# Allegro board T736_DEMO_DBOARD_V0-5-draft.brd (continued)
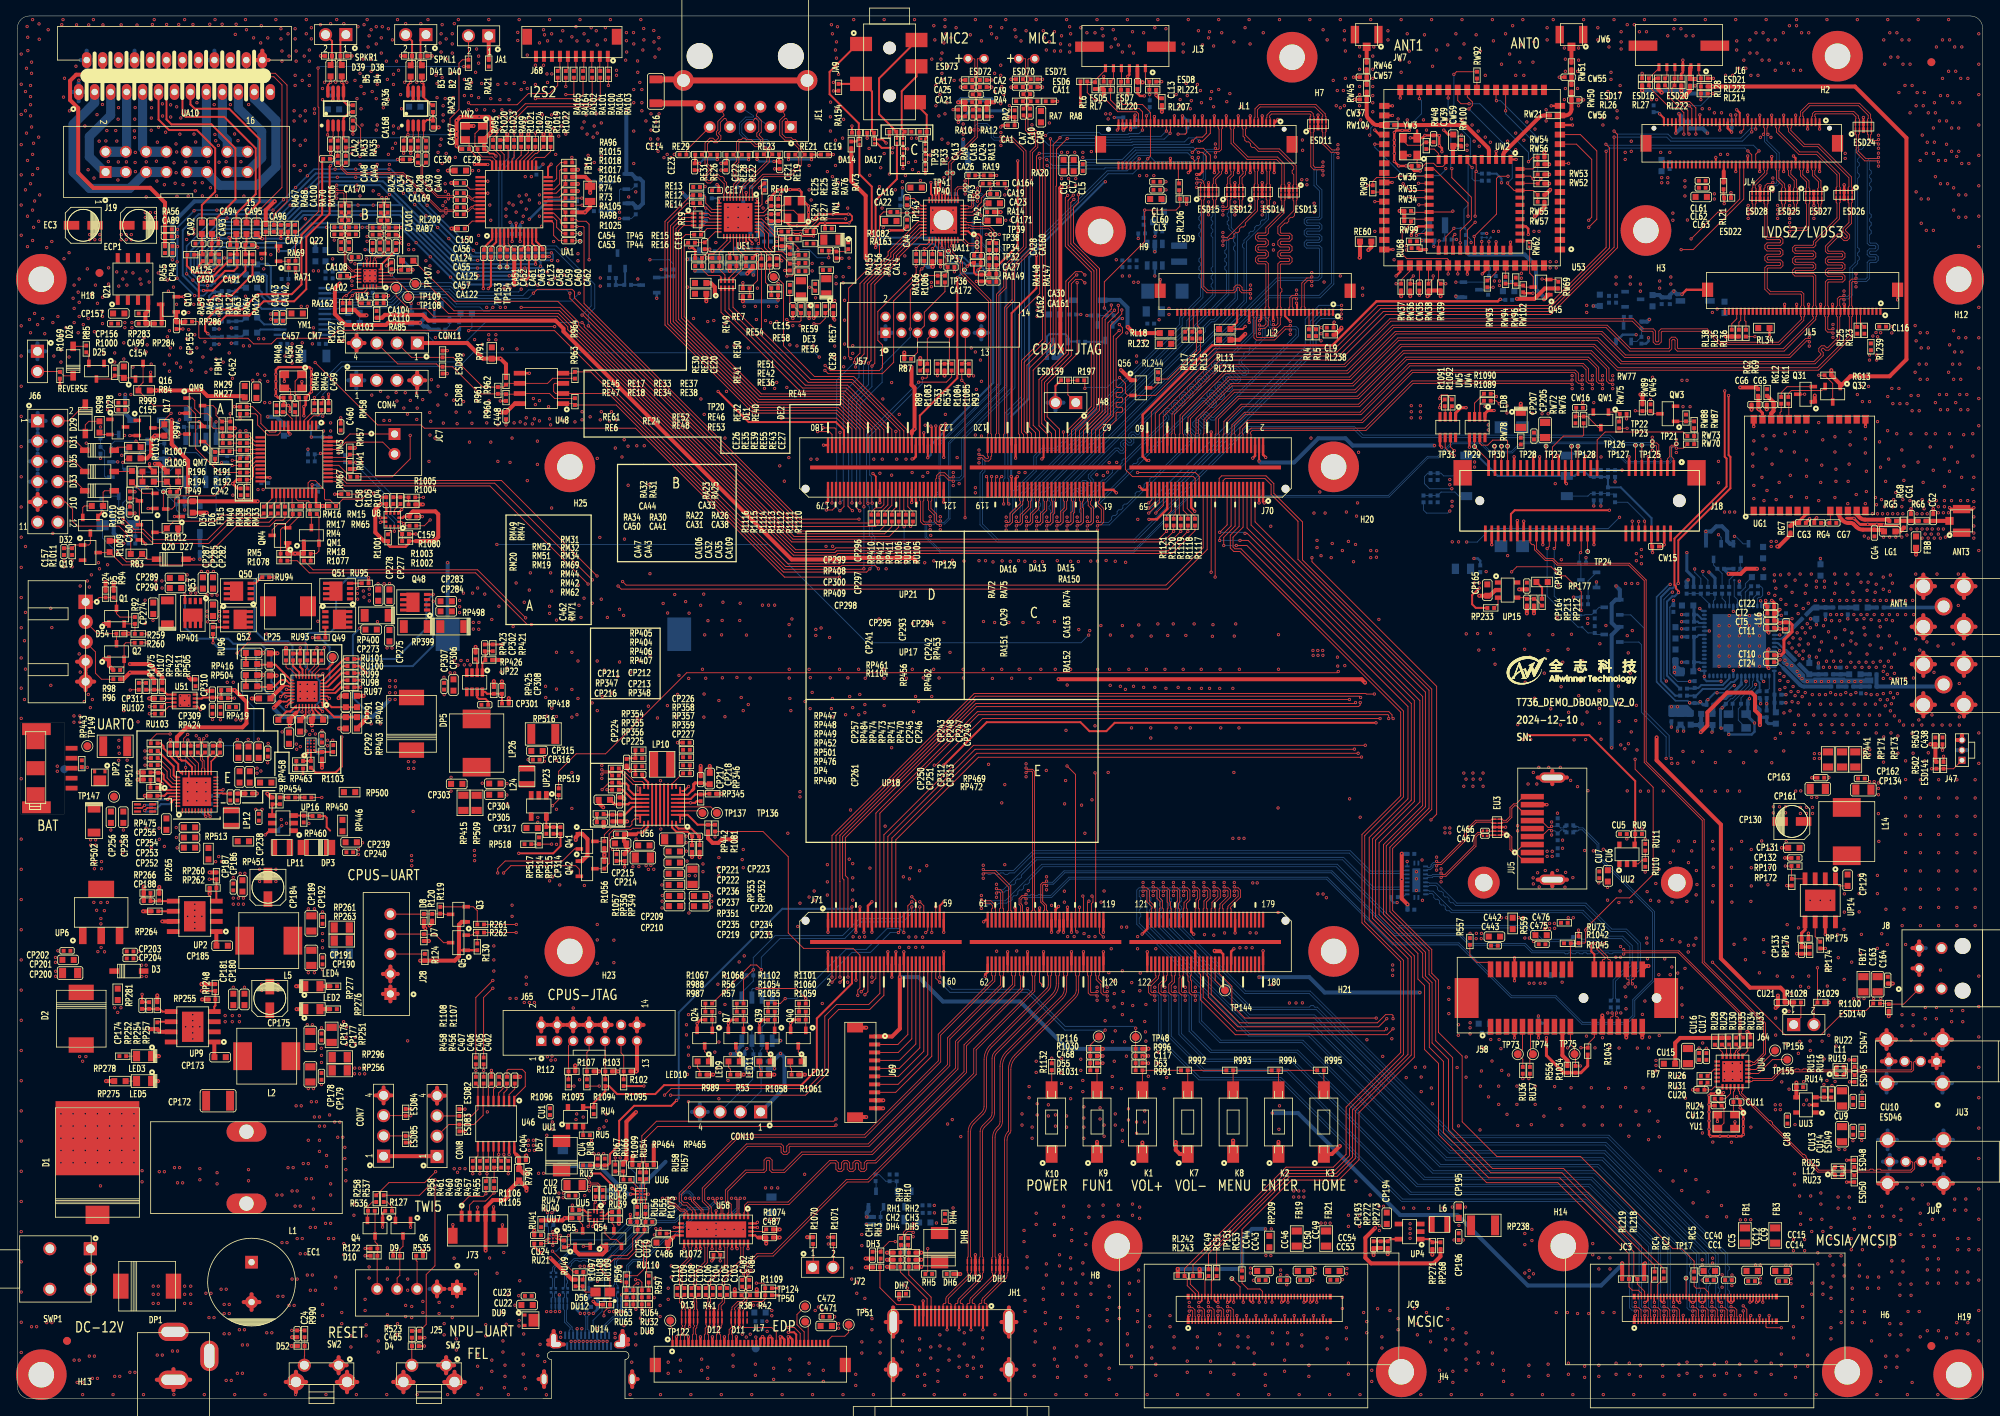
[diagram p0: board, top side]
## Routing (per net, layer and track width the routed paths; a pad name or vN(x,y) marks a point on that pad's centre or on a via; arc(x,y) is an arc through that point) (continued)
VCC-3V3-WIFI: length 109.8
  TOP w0.305: J70.153 108.05,112.3 v1(108.05,112.29)
  TOP w0.381: 180.9,157.1 179.96,157.1 CW59.1
  TOP w0.508: CW59.1 179.85,156.99 UW2.9
  L3 w0.508: v1(179.58,126.62) 175.92,126.62 172.72,123.42 172.72,119.55 166.05,112.88 121.44,112.88 120.17,111.61 108.74,111.61 v1(108.05,112.29)
  L4 w0.508: v1(190.63,146.3) 190.63,141.58 191.62,140.59 191.62,139.29 179.58,127.25 v1(179.58,126.62)
  vias: v1(181.61,157.1) v1(181.61,156.46) v1(184.91,146.3) v1(185.55,146.3) v1(189.99,146.3)
VCC-5V: length 38.1
  TOP w0.254: UU6.B1 v1(78.16,24.71)
  TOP w0.508: RP268.2 178.28,17.83 177.41,16.95 169.58,16.95 168.87,17.67 168.87,20.17 v1(170.09,21.39) ; RP416.2 v1(27.22,88.81) 28.7,87.33 28.7,84.65 28.19,84.14 21.21,84.14 19.99,82.92 RP484.1
  BOTTOM w0.508: 81.2,29.69 78.16,26.64 v1(78.16,24.71)
  vias: v1(26.29,89.79) v1(27.05,89.79) v1(29.08,95.89) v1(29.08,95.25) v1(30.23,132.84) v1(30.86,132.84) v1(35.56,136.91) v1(36.07,147.88) v1(36.32,136.91) v1(37.22,161.66) v1(37.22,161.11) v1(42.24,40.72) v1(42.27,41.43) v1(42.85,41.43) v1(42.88,40.72) v1(43.48,41.43) v1(43.51,40.72) v1(44.32,84.58) v1(45.47,84.58) v1(99.95,11.05) v1(100.36,11.49) v1(100.83,11.06) v1(143.89,152.53) v1(143.89,151.51) v1(159.36,49.59) v1(159.89,26.04) v1(159.89,25.27) v1(160.19,49.59) v1(160.53,26.04) v1(160.53,25.27) v1(160.91,152.78) v1(160.91,152.15) v1(160.99,49.61) v1(161.16,26.04) v1(161.16,25.27) v1(161.54,152.78) v1(161.54,152.15) v1(170.62,21.69) v1(170.62,21.08) v1(212.6,151) v1(212.6,150.37) v1(215.85,22.4) v1(216.5,22.42) v1(217.14,22.43) v1(230.05,50.11) v1(230.7,50.13) v1(231.34,50.14)
VCC-5V-COD: length 1.2
  BOTTOM w0.508: U57.15 v1(31.75,135.95)
VCC-5V-HDMI: length 1.6
  TOP w0.508: RH2.2 v1(113.26,18.3) ; RH1.2 v1(108.94,18.3)
  vias: v1(111.05,14.22) v1(111.49,13.84)
VCC-5V-SPA: length 2.3
  TOP w0.381: v1(40.26,162.71) 40.2,162.77 UA4.6 ; v1(50.29,162.71) 50.24,162.77 UA2.6
VCC-5V-USB:
  vias: v1(41.2,45.29) v1(41.2,44.4) v1(42.34,45.29) v1(42.34,44.4) v1(66.4,42.85) v1(66.85,42.42) v1(66.98,42.94) v1(67.4,42.47) v1(178.84,71.53) v1(178.84,70.92) v1(179.45,71.53) v1(179.45,70.92) v1(220.22,36.83) v1(220.24,36.22) v1(220.85,36.83) v1(220.85,36.22)
VCC-12V-PCIE:
  vias: v1(184.58,45.01) v1(185.62,45.01)
VCC-232-3V3: length 36.2
  TOP w0.305: 62.48,30.61 62.25,30.84 U46.16
  TOP w0.508: C402.2 v1(62.99,40.34) ; 62.48,30.61 62.85,30.24 C404.2 62.85,28.79 R790.1 63.4,28.24 v1(63.8,28.24) ; CON8.1 52.54,30.39 CON7.1
  L3 w0.508: CON8.1 56.01,30.35 57.25,29.11 62.94,29.11 v1(63.8,28.24)
  L4 w0.508: v1(62.99,40.34) 62.99,29.06 v1(63.8,28.24)
VCC-485-3V3: length 157.5
  TOP w0.508: R962.1 61.21,129.67 v1(60.53,130.35) R791.1 58.32,130.35 56.36,132.31 CON11.1 ; v1(60.5,123.61) C448.1 62.31,124.71 U48.8
  L3 w0.508: v1(60.5,123.61) 69.36,123.61 72.67,126.92 88.16,126.92 v1(88.84,126.25) ; v1(89.33,43.21) 95.55,43.21 v1(95.61,43.26)
  L4 w0.508: v1(89.33,43.21) 89.33,46.45 89.67,46.79 89.67,47.29 89.43,47.53 89.43,125.65 v1(88.84,126.25) ; v1(60.5,123.61) 59.82,124.29 59.82,129.64 v1(60.53,130.35)
  BOTTOM w0.508: v1(89.33,43.21) C403.1 90.25,43.82 90.75,44.32 U47.8 ; CON10.1 96.11,38.94 96.11,42.75 v1(95.61,43.26) 94.61,42.27 R451.1
VCC-CTP0: length 3.1
  TOP w0.508: v1(140.97,164.99) CL13.1 140.31,165 JL3.2
  BOTTOM w0.508: RL3.1 140.94,165.02 v1(140.97,164.99)
VCC-CTP1: length 2.8
  TOP w0.508: v1(210.19,165.4) RL28.1 209.55,166.78 JL6.2
  BOTTOM w0.508: RL28.1 v1(210.19,165.4)
VCC-DSP-3V3: length 29.5
  TOP w0.508: R1018.2 71.15,153.14 71.75,152.53 FB16.1 v1(71.75,151.13)
  L3 w0.508: v1(57.02,153.92) 55.88,153.92 54.99,153.03 53.09,153.03 50.55,150.5 50.55,148.46 49.67,147.59 41.14,147.59 39.73,146.18 38.58,146.18 v1(37.34,144.93)
  BOTTOM w0.508: RA158.2 v1(37.34,144.93)
  vias: v1(57.78,153.92) v1(63.63,153.16) v1(64.39,153.16)
VCC-IO: length 22.4
  TOP w0.305: v1(152.4,56.38) 152.05,56.03 J71.164
  TOP w0.508: R89.2 v1(113.11,130.43) ; Q1.1 v1(10.79,97.09) ; 106.27,142.9 106.27,150.77 104.47,152.58 RA94.2 ; R93.2 v1(119.2,128.22) ; R534.2 v1(116.15,128.22) ; v1(10.79,92.67) Q2.1 11.47,91.86 R98.1 ; R87.2 v1(111.11,131.12)
  vias: v1(104.65,131.98) v1(104.65,131.01) v1(106.48,142.19) v1(106.87,142.63) v1(108.48,146.81) v1(108.48,146.2) v1(114.5,139.91) v1(114.5,139.37) v1(117.22,23.9) v1(117.22,23.19) v1(119.79,128.19) v1(120.02,114.17) v1(120.02,113.54) v1(138.33,59.11) v1(138.96,59.11)
VCC-LCD:
  vias: v1(140.21,130.68) v1(140.21,129.92) v1(163.35,134.24) v1(163.32,133.48) v1(163.32,132.59)
VCC-LCD1: length 1.6
  TOP w0.508: v1(214.04,133.13) RL38.2 RL35.1
  vias: v1(93.34,99.45) v1(93.73,26.42) v1(94.11,99.45) v1(94.49,26.42) v1(94.87,99.45) v1(95.25,26.42) v1(201.47,102.17) v1(202.23,102.17) v1(203,102.17) v1(232.45,133.18) v1(232.84,133.63) v1(233.04,133.1) v1(233.43,133.6)
VCC-LCD-EDP: length 18.1
  TOP w0.254: U58.34 v1(89.53,18.8) ; U58.41 v1(92.71,21.46) ; U58.21 82.38,20.46 82.14,20.22 ; U58.39 92.44,20.46 92.71,20.19 92.84,20.19 ; v1(85.6,18.8) 85.53,18.88 U58.26 ; v1(87.53,23.55) U58.9 ; U58.31 v1(88.03,18.8) ; U58.19 v1(82.3,21.46)
  TOP w0.305: R1109.2 v1(95.38,13.84)
  TOP w0.508: v1(93.81,19.43) C487.2 92.84,20.19 ; 82.14,20.22 C486.1 v1(81.48,18.8) ; R38.2 v1(92.63,13.72) ; R1070.2 v1(98.93,20.24)
  L3 w0.508: v1(98.93,20.24) 97.5,20.24 96.7,19.43 v1(93.81,19.43)
  vias: v1(90.82,8.08) v1(91.31,7.72) v1(91.81,8.08) v1(92.23,11.71) v1(92.79,11.71) v1(93.37,11.71) v1(93.78,22.48) v1(94.44,22.48) v1(95.07,22.48)
VCC-LTE18:
  vias: v1(184.28,122.05) v1(184.28,121.41) v1(192.91,97.92) v1(193.04,101.98) v1(196.72,97.79) v1(196.72,97.16)
VCC-MCU: length 120.2
  TOP w0.305: UM3.36 37.42,111.97 RM17.2
  TOP w0.508: RM65.1 v1(38.23,111.89) RM17.2 ; R84.2 v1(17.4,126.36) 23.11,126.36 23.83,125.65 28.32,125.65 FBM1.2 ; RM15.2 v1(35.94,111.89) ; R1004.2 v1(50.8,112.08) ; RW89.2 203.58,125.6 v1(203.33,125.86) ; R1006.2 16.24,117.86 16.75,118.36 16.75,120.22 v1(17.23,120.7) R997.2 ; R1009.2 v1(12.47,107.52) ; RM57.1 v1(42.33,116.52) ; RM58.1 v1(42.29,119.17) ; R1012.2 v1(20.14,108.2)
  L4 w0.508: v1(106.36,21.84) 105.8,22.4 105.8,25.41 116.84,36.45 v1(116.84,93.54) ; v1(17.23,120.7) 17.23,126.2 v1(17.4,126.36)
  BOTTOM w0.508: v1(31.37,123.06) 32.46,123.06 C458.2 ; Q15.2 11.75,110.55 12.06,110.24 12.06,108.46 12.47,108.05 v1(12.47,107.52) ; CON4.1 42.47,128.64 ; CON4.1 42.47,126.63 ; CON4.1 43.47,127.64 ; CON4.1 41.46,127.64 ; RH23.1 v1(106.36,21.84)
  vias: v1(13.34,108.08) v1(13.34,107.19) v1(26.99,113.24) v1(30.15,113.94) v1(30.78,113.94) v1(30.99,124.84) v1(31.62,124.84) v1(38.35,122.3) v1(38.35,121.28) v1(39.24,122.3) v1(39.24,121.28) v1(192.66,114.68)
VCC-PD: length 66.1
  TOP w0.254: J70.107 124.55,115.48 124.51,115.52 v1(124.51,115.57)
  TOP w0.381: RL220.2 v1(139.1,163.36) ; RL221.2 v1(142.66,163.36) 143.04,162.98 RL207.2
  TOP w0.508: v1(136.1,163.4) RL7.2 136,164.15 RL6.2
  L3 w0.508: v1(142.66,163.36) 142.66,163.61 142.19,164.08 139.83,164.08 v1(139.1,163.36) 139.06,163.4 v1(136.1,163.4)
  L4 w0.254: v1(136.1,163.4) 135.86,163.17 135.86,152.96 v1(136.3,152.53)
  BOTTOM w0.254: v1(136.3,152.53) 136.22,152.53 126.75,143.05 126.75,125.35 124.51,123.11 v1(124.51,115.57)
VCC-PE: length 232.6
  TOP w0.305: J70.3 v1(155.55,112.27)
  TOP w0.508: RL242.2 148.13,16.21 v1(148.08,16.26) ; RL219.2 v1(201.04,16.97) ; v1(138.25,128.93) 139.54,127.65 Q56.1 ; v1(73.15,19.09) Q54.1 73.78,18.58 73.28,18.08 70.37,18.08 69.87,18.59 Q55.1 ; v1(203.91,16.97) 203.79,16.85 RL218.2 ; v1(145.36,16.26) 145.37,16.25 RL243.2
  L3 w0.508: v1(73.15,19.09) 73.15,19.84 74.32,21.01 75.62,21.01 76.12,21.51 76.12,26.59 76.78,27.25 78.13,27.25 80.37,29.49 92.86,29.49 95.2,27.15 104.65,27.15 122.63,45.14 122.63,47.07 130,54.43 146.3,54.43 148.84,51.89 v1(157.2,51.89) ; v1(157.02,109.35) 150.19,109.35 148.39,107.54 143.03,107.54 v1(140.36,110.21)
  L4 w0.508: v1(140.36,110.21) 140.36,113.08 141.48,114.2 141.48,116.26 139.01,118.72 139.01,128.17 v1(138.25,128.93) ; v1(203.91,16.97) v1(201.04,16.97)
  BOTTOM w0.508: v1(157.23,35.79) 160.45,35.79 173.23,23.01 180.39,23.01 189.23,14.17 198.4,14.17 201.04,16.81 v1(201.04,16.97) ; v1(145.36,16.26) v1(148.08,16.26) 152.98,16.26 153.44,16.71 153.44,20.04 154.67,21.27 v1(156.34,21.27)
  vias: v1(157.09,21.27)
VCC-PG: length 205.9
  TOP w0.254: v1(40.64,82.93) 40.64,79.24 39.88,78.47 37.37,78.47 RP456.1 ; v1(128.35,117.78) 128.55,117.99 J70.92
  TOP w0.305: v1(141.73,117.6) 141.48,117.6 140.97,118.11 140.97,123.32 149.68,132.03 164.76,132.03 170.27,137.54 185.47,137.54 185.72,137.79 v1(185.78,137.79)
  L3 w0.254: v1(141.73,117.6) 141.5,117.83 128.66,117.83 128.6,117.78 v1(128.35,117.78) 128.3,117.73 125.73,117.73 125.22,117.22 121.41,117.22 120.83,116.64 120.34,116.64 119.63,117.35 115.32,117.35 114.23,118.43 84.78,118.43 83.71,117.36 75.68,117.36 72.01,121.03 52.96,121.03 v1(52.32,120.4)
  L4 w0.254: v1(40.64,82.93) 41.02,83.31 45.59,83.31 49.78,87.5 49.78,97.16 51.08,98.45 51.28,98.45 52.58,99.75 52.58,103.16 52.32,103.41 v1(52.32,120.4)
  BOTTOM w0.254: RW103.1 185.85,137.72 v1(185.78,137.79)
VCC-PH: length 290.5
  TOP w0.254: J70.138 112.05,120.97
  TOP w0.508: 112.05,120.97 112.05,121.2 v1(112.39,121.54) 112.39,126.7 112.01,127.08 v1(112.01,129.34) ; v1(43.74,135.79) 42.95,135.79 42.28,136.46 R1026.2 41.62,136.47 R1027.2 ; RA17.1 114.63,141.91 v1(114.68,141.86) ; RE6.1 v1(86.31,137.54)
  L3 w0.508: v1(86.31,137.54) 83.44,137.54 80.64,140.34 v1(77.72,140.34) ; v1(44.96,162.94) 46.08,164.06 61.49,164.06 63.75,161.8 75.99,161.8 v1(76.29,161.5) ; v1(114.43,108.2) 115.17,107.46 139.25,107.46 140.42,106.29 156.02,106.29 158.86,109.13 182.01,109.13 182.45,108.69 v1(211.53,108.69) ; v1(112.39,121.54) 111.25,120.4 v1(88.65,120.4)
  L4 w0.508: v1(86.31,137.54) 85.47,136.7 85.47,126.87 87.02,125.32 87.02,122.02 v1(88.65,120.4) ; v1(76.29,161.5) 78.08,159.71 78.08,151 77.72,150.65 v1(77.72,140.34) ; v1(112.39,121.54) 112.78,121.16 112.78,114.78 113.39,114.17 113.39,108.86 114.05,108.2 v1(114.43,108.2) ; v1(44.96,162.94) 43.94,161.93 43.94,149.12 45.42,147.65 45.42,137.46 v1(43.74,135.79)
  BOTTOM w0.508: Q28.1 211.55,108.67 v1(211.53,108.69) 212.19,108.69 212.84,109.33 213.55,109.33 214.2,108.69 214.2,107.51 214.56,107.15 Q27.1 ; RA16.1 RA15.1 113.61,142.32 114.07,141.86 v1(114.68,141.86) ; Q26.1 77.09,149.82 77.47,149.44 R69.2 77.85,149.29 78.36,149.8 78.36,152.53 77.96,152.93 R70.2 77.47,152.99 76.96,153.5 Q25.1 v1(76.29,161.5)
VCC-PI: length 318.4
  TOP w0.305: v1(107.05,62.27) 106.55,61.77 J71.21
  TOP w0.508: RP442.2 86.53,70.23 87.1,69.66 87.82,69.66 88.27,70.1 v1(90.04,70.1) ; RL26.2 v1(203.54,163.96) ; v1(227.25,128.91) RG13.2 228.37,127.15 Q32.1 229.64,128.14 234.54,128.14 236.65,130.25 236.65,158.01 230.2,164.47 v1(212.4,164.47) RL223.2 ; Q42.1 70.72,67.37 71.42,68.07 71.42,70.14 70.76,70.8 Q41.1 69.95,70.35 v1(69.95,70.03) ; v1(205.99,163.7) 205.57,164.13 RL27.2 ; RL222.2 v1(208.45,163.94) ; Q31.1 225.17,125.13 v1(225.17,125.73)
  L3 w0.508: v1(69.95,70.03) 70.72,70.8 74.18,70.8 74.31,70.93 76.14,70.93 82.93,77.72 88.14,77.72 90.04,75.82 v1(90.04,70.1) 90.68,70.1 92.33,71.75 v1(108.71,71.75) 169.47,71.75 179.3,81.58 v1(199.72,81.58)
  L4 w0.508: v1(227.25,128.91) 227.25,127.81 v1(225.17,125.73) 224.41,124.97 223.65,124.97 221.11,127.51 212.98,127.51 212.47,127 212.47,121.41 201.29,110.24 201.29,109.98 200.79,109.47 200.79,102.36 v1(200.28,101.85) ; v1(107.05,62.27) 107.05,65.27 108.71,66.93 v1(108.71,71.75)
  BOTTOM w0.508: v1(203.54,163.96) 205.74,163.96 v1(205.99,163.7) 206.23,163.94 v1(208.45,163.94) 208.8,163.94 209.17,163.58 211.51,163.58 v1(212.4,164.47) ; v1(200.28,101.85) 200.75,101.39 Q29.1 200.24,100.14 199.73,99.63 199.73,97.24 200.24,96.73 Q30.1 199.72,95.71 v1(199.72,81.58)
VCC-PJ: length 90.6
  TOP w0.254: J70.4 v1(155.55,117.52)
  TOP w0.381: UW4.1 183.86,123.47 184.24,123.85 v1(184.99,123.85) ; v1(181.48,124.21) 180.85,124.21 180.17,123.53 UW5.1
  L3 w0.381: v1(181.48,124.21) 181.97,123.72 184.86,123.72 v1(184.99,123.85)
  L4 w0.508: v1(177.52,119.46) 177.52,119.87 180,122.35 180,122.72 v1(181.48,124.21) 199.39,142.11 199.39,146.85 202.54,150 205.22,150 211.71,156.49 v1(211.71,158.62)
  BOTTOM w0.508: RL215.2 211.12,159.21 v1(211.71,158.62) ; v1(177.52,119.46) 167.3,119.46 166.38,120.37 162.97,120.37 159.94,117.34 155.73,117.34 v1(155.55,117.52)
VCC-PL: length 608.5
  TOP w0.305: R130.1 56.23,56.21 Q5.1 55.33,56.2 55.32,56.21 ; v1(45.76,21.5) Q4.1 45.76,23.22 R127.1 ; Q6.1 v1(49.26,21.48) ; J71.34 v1(109.55,52.83)
  TOP w0.508: J65.13 77.63,41.1 v1(77.55,41.02) R102.2 ; v1(50.46,54.9) R124.1 54.79,54.9 55.32,55.43 55.32,59.4 55.68,59.76 Q3.1 ; R502.2 240.28,79.93 R503.2 v1(239.65,82.02) ; RU109.2 69.48,14.93 v1(66.78,17.63) ; QM1.1 35.9,107.21 RM18.2 v1(34.8,105.92) RM5.2 33.87,105.96 QM4.1 ; RU54.1 75.9,29.59 76.3,30 76.3,34.72 v1(77.5,35.92) ; R107.2 v1(72.87,41.02) ; R103.2 v1(75.26,41.02) ; RP511.2 18.16,90.42 16.51,92.08 v1(14.1,92.08) ; R112.2 69.89,41.74 v1(69.88,41.76)
  L3 w0.508: v1(109.52,115.75) 108.94,115.16 97.97,115.16 93.45,110.64 64.82,110.64 60.1,105.92 42.55,105.92 40.89,107.57 ; 40.89,107.57 40.89,113.54 38.1,116.33 30.86,116.33 30,115.47 26.67,115.47 26.31,115.83 26.31,116.56 v1(25.57,117.3) 25.57,117.16 24.76,116.36 19.05,116.36 ; 40.89,107.57 39.24,105.92 v1(34.8,105.92) ; v1(239.65,82.02) 201.9,82.02 v1(201.83,82.09) 200.23,83.69 177.85,83.69 173.35,79.2 135.51,79.2 133.12,81.58 v1(109.52,81.58) 108.28,82.83 72.92,82.83 63.69,73.6 52.87,73.6 52.86,73.61 v1(49.58,73.61) ; v1(16.26,114.24) 16.93,114.24 19.05,116.36 ; v1(19.05,117.81) 19.05,116.36 ; v1(48.9,44.85) J65.1 66.9,43.57 67.88,43.57 69.7,41.76 v1(69.88,41.76) 70.61,41.02 v1(72.87,41.02) v1(75.26,41.02) v1(77.55,41.02)
  L4 w0.508: v1(211.91,103.61) 211.91,103.43 211.46,102.97 209.65,102.97 v1(209.3,102.62) 208.58,103.34 205.83,103.34 203.84,101.35 203.84,84.1 v1(201.83,82.09) ; v1(77.5,35.92) 77.5,40.97 v1(77.55,41.02) ; v1(49.58,73.61) 49.73,73.46 49.73,71.86 49.75,71.76 49.79,71.68 49.84,71.6 49.91,71.53 49.99,71.48 50.07,71.44 50.17,71.42 50.44,71.15 50.44,54.91 v1(50.46,54.9) 50.44,54.88 50.44,49.07 48.9,47.52 v1(48.9,44.85) 48.79,44.74 48.79,38.91 47.27,37.39 47.27,27.46 45.76,25.94 v1(45.76,21.5) 45.78,21.48 v1(49.26,21.48) 49.89,20.85 49.89,17.7 50.85,16.74 65.89,16.74 v1(66.78,17.63) ; v1(109.52,115.75) v1(109.52,81.58) 109.52,66.7 108.43,65.61 108.43,55.27 109.55,54.15 v1(109.55,52.83) ; v1(19.05,117.81) 18.77,117.53 18.77,110.97 15.11,107.31 15.11,105.41 13.51,103.81 13.51,101.17 12.22,99.87 12.22,94.56 14.1,92.68 v1(14.1,92.08)
  BOTTOM w0.381: v1(211.91,103.61) 212.67,102.84 RT13.2
  BOTTOM w0.508: Q9.1 v1(16.26,114.24) ; v1(209.3,102.62) 209.12,102.44 RT14.2 ; R469.2 17.41,117.81 Q23.1 ; R469.2 v1(19.05,117.81) ; R469.2 R466.2 ; R1062.2 v1(25.57,117.3)
VCC-PM: length 175.1
  TOP w0.305: J71.17 v1(105.55,61.64)
  TOP w0.508: Q45.1 191.84,138.37 v1(191.26,137.79)
  L3 w0.508: v1(191.26,137.79) 190.88,137.41 189.74,137.41 188.47,138.68 180.86,138.68 180.35,138.18 v1(180.21,138.18) ; v1(166.9,75.18) 137.26,75.18 135.86,73.78 v1(104.37,73.78)
  L4 w0.508: v1(166.9,75.18) 166.9,85.06 169.39,87.55 169.39,88.57 169.75,88.92 169.95,88.92 175.07,94.04 175.07,120.89 177.55,123.37 177.55,135.37 180.21,138.04 v1(180.21,138.18) ; v1(105.55,61.64) 105.41,61.78 105.41,70.46 104.37,71.49 v1(104.37,73.78)
  BOTTOM w0.508: v1(191.26,137.79) 191.26,138.02 190.25,139.04 190.25,141.99 188.82,143.41 181.87,143.41 181.48,143.79 RW31.2 ; Q46.1 180.35,138.04 v1(180.21,138.18)
VCC-RTC: length 205.4
  TOP w0.305: J71.101 v1(131.55,61.59)
  TOP w0.508: RM47.2 v1(27.25,121.62) ; RP501.1 v1(15.09,78.49)
  L3 w0.508: v1(131.52,89.45) 70.28,89.45 66.54,93.19 52.46,93.19 51.17,91.9 36.83,91.9 36.22,91.29 24.23,91.29 22.35,89.41 20.45,89.41 18.9,87.87 18.9,86.85 16.89,84.84 v1(15.11,84.84) 15.09,84.81 v1(15.09,78.49)
  L4 w0.508: v1(131.52,89.45) 132.11,88.86 132.11,62.15 v1(131.55,61.59) ; v1(27.25,121.62) 26.31,120.69 26.31,116.61 25.53,115.82 25.53,111.02 21.77,107.26 18.01,107.26 14.25,103.5 14.25,100.86 12.95,99.57 12.95,94.87 15.11,92.71 v1(15.11,84.84)
VCC-RTC-IC: length 13.6
  TOP w0.508: v1(19.33,122.68) 19.33,119.63 21.39,117.58 v1(21.39,113.74)
  BOTTOM w0.508: R785.2 19.39,120.69 18.08,122 D45.2 18.44,122.63 18.5,122.57 19.22,122.57 v1(19.33,122.68)
VCC-SYS-5V:
  vias: v1(24.84,67.31) v1(25.22,67.94) v1(25.6,67.31) v1(40.49,46.61) v1(40.87,47.24) v1(41.25,46.61) v1(49.38,68.07) v1(49.4,67.44) v1(49.4,66.8) v1(57.25,68.71) v1(57.28,68.07) v1(57.28,67.44) v1(66.29,65.41) v1(66.67,64.9) v1(67.06,65.41) v1(152.27,70.23) v1(153.03,70.23) v1(153.16,56.52) v1(153.67,70.23) v1(153.92,56.52) v1(154.69,56.52)
VCCA-DSP-3V3: length 5.3
  TOP w0.254: UA1.6 v1(61.98,145.04) ; UA1.8 v1(62.98,145.04)
  TOP w0.508: RA105.1 71.09,148.69 v1(71.12,148.72) 71.75,149.35 FB16.2
VCCIO-CAM:
  vias: v1(156.41,17.93) v1(157.04,17.93) v1(212.37,17.6) v1(212.37,16.99)
VCCIO-LCD0: length 6.1
  TOP w0.254: v1(140.03,160.88) 139.95,160.8 JL1.71
  TOP w0.508: RL207.1 v1(143.38,161.29)
  L3 w0.508: v1(143.38,161.29) 143.28,161.39 140.54,161.39 v1(140.03,160.88)
  BOTTOM w0.254: v1(140.03,160.88) 140.06,160.86 CL4.1
VCCIO-LCD1: length 3.2
  TOP w0.254: JL4.71 208.27,160.92 v1(208.15,161.04)
  BOTTOM w0.508: RL215.1 CL14.1 208.39,160.8 v1(208.15,161.04)
VCCIO-WIFI: length 15.5
  TOP w0.508: v1(178.31,138.18) RW39.2 RW38.2 176.78,138.3 v1(176.66,138.18) ; RW52.2 v1(191.9,152.3) ; v1(187.86,137.85) 190.04,137.85 191.35,139.15 RW69.2 ; RW54.2 v1(191.31,156.17) ; v1(192.02,151.51) 191.41,150.9 RW55.2 ; v1(173.15,148.87) RW35.2 RW34.2 ; RW36.2 v1(174.5,138.18) ; RW53.2 v1(191.9,153.44) ; RW37.2 v1(173.35,138.18)
  BOTTOM w0.508: CW22.2 v1(175.95,145.16)
  vias: v1(188.42,141.05) v1(188.42,140.44)
2.5_VREF: length 14.5
  TOP w0.381: CT2.1 220.29,98.4 v1(220.8,98.91) ; CT2.1 CT22.2 220.08,99.75 v1(219.78,100.05) ; CT2.1 CT5.1 220.44,97.51 v1(220.8,97.16) 220.94,97.3 L16.1 222.03,97.3 222.32,97 222.32,96.11 221.31,95.1 221.31,93.55 220.93,93.17 v1(220.77,93.17) 220.75,93.19 CT10.2
  BOTTOM w0.254: UT1.1 220.49,98.72 220.67,98.91 v1(220.8,98.91) ; v1(220.77,93.17) 220.72,93.22 UT1.12 ; v1(219.78,100.05) 219.47,99.74 UT1.64 ; UT1.4 220.73,97.22 v1(220.8,97.16)
4G-I2C-SCK: length 15.6
  TOP w0.114: J18.30 192.71,106.73 v1(192.53,106.55)
  BOTTOM w0.114: Q29.3 198.15,99.19 RW80.1 197.23,98.27 196.39,98.27 196.32,98.2 TP25.1 194.92,98.2 192.53,100.58 v1(192.53,106.55)
4G-I2C-SDA: length 17.1
  TOP w0.114: v1(191.64,106.55) 191.91,106.82 J18.32
  BOTTOM w0.114: Q30.3 197.8,95.78 RW81.1 196.77,95.97 TP26.1 195.53,96.7 191.64,100.58 v1(191.64,106.55)
4G-I2S-BCLK: length 2.2
  TOP w0.114: R1089.2 183.21,124.55 UW4.2
4G-I2S-DIN: length 1.4
  TOP w0.114: UW5.2 179.52,124.21 R1092.2
4G-I2S-DOUT: length 1.3
  TOP w0.114: R1091.2 178.87,124.34 UW5.3
4G-I2S-LRCK: length 3.4
  TOP w0.114: UW4.3 182.55,124.79 R1090.2
4G-LED: length 17.5
  TOP w0.356: J18.42 v1(187.91,110.06)
  TOP w0.508: LED8.2 v1(188.34,124.71)
  L4 w0.508: v1(188.34,124.71) 188.34,110.49 v1(187.91,110.06)
4G-WAKEUP-MCU: length 186
  TOP w0.114: QW3.3 204.93,123.44 CW45.2 RW89.1 202.74,123.78 v1(202.69,123.83) ; v1(38.28,125.48) 38.28,124.93 RM45.1
  L3 w0.114: v1(204.85,128.02) 200.61,132.26 180.01,132.26 178.44,130.68 172.97,130.68 169.51,127.22 122.05,127.22 116.68,132.59 102.47,132.59 100.46,130.58 v1(100.46,130.56)
  L4 w0.114: v1(204.85,128.02) 204.85,126.24 204.09,125.48 204.09,125.22 v1(202.69,123.83)
  BOTTOM w0.114: v1(100.46,130.56) 99.92,131.09 57.07,131.09 55.37,129.39 40.69,129.39 38.94,127.64 38.94,126.54 38.28,125.88 v1(38.28,125.48)
A1: length 19.7
  BOTTOM w0.114: R450.1 95.38,51.73 95.38,48.69 93.29,46.61 U47.6 93.29,43.87 93.06,43.63 R452.1 93.06,42.37 R451.2 ESD86.2 93.17,38.53 CON10.2
A2: length 25
  TOP w0.114: CON11.2 49.37,130.51 ESD89.2 54.6,130.51 58.33,126.79 R961.1 60.92,126.79 R962.2 61.38,127.25 U48.6 66.42,127.25 67.06,127.89 69.81,127.89 R964.1
AC107-RST: length 4
  TOP w0.114: UA3.4 46.44,141.14 CA101.1 46.95,141.48 RA87.1 48.26,141.65 48.26,142.54 RL209.2
ACC-DET: length 4.3
  TOP w0.114: 5.08,122.56 6.41,122.56 D29.2
AMP-12V: length 21.9
  TOP w0.508: RA67.2 31.11,148.97 32.21,150.06 v1(32.23,150.06)
  BOTTOM w0.508: v1(32.23,150.06) 22.18,150.06 19.43,147.32 v1(19.43,142.75)
  vias: v1(13,145.9) v1(13,145.26) v1(13.64,145.9) v1(13.64,145.26) v1(14.27,145.9) v1(14.27,145.26)
AMP-FL+: length 10.2
  BOTTOM w1.143: J19.6 15.68,156.73 UA10.9
  BOTTOM w1.27: J19.6 J19.8
AMP-FL-: length 10.1
  BOTTOM w1.143: J19.4 13.69,156.38 UA10.7
  BOTTOM w1.27: J19.4 J19.2
AMP-FR+: length 14.6
  BOTTOM w1.143: J19.1 10.92,153.75 9.02,155.65 9.02,158.19 11.68,160.86 UA10.5
  BOTTOM w1.27: J19.1 J19.3
AMP-FR-: length 24.5
  BOTTOM w1.143: UA10.3 9.69,162.42 6.99,159.72 6.99,153.75 9.04,151.69 14.07,151.69 J19.5
  BOTTOM w1.27: J19.5 J19.7
AMP-RL+: length 10.1
  BOTTOM w1.143: UA10.17 23.69,156.35 J19.12
  BOTTOM w1.27: J19.12 J19.10
AMP-RL-: length 10.3
  BOTTOM w1.143: J19.14 26.29,157.74 25.68,158.34 UA10.19
  BOTTOM w1.27: J19.16 J19.14
AMP-RR+: length 14.5
  BOTTOM w1.143: UA10.21 27.69,161.75 30.61,158.83 30.61,155.52 J19.15
  BOTTOM w1.27: J19.15 J19.13
AMP-RR-: length 23.4
  BOTTOM w1.143: UA10.23 29.68,162.92 32.38,160.22 32.38,154.38 30.07,152.07 25.3,152.07 23.75,153.62 J19.11
  BOTTOM w1.27: J19.11 J19.9
ANT0: length 4.5
  TOP w0.508: RW21.2 U53.15 193.91,160.83 arc(194.46,161.06) 194.69,161.61 CW56.2 RW50.1
ANT1: length 6.1
  TOP w0.508: RW45.1 CW37.2 169.04,160.92 arc(169.09,160.68) 169.22,160.47 169.85,159.84 arc(170.08,159.69) 170.35,159.63 U53.35 RW104.2
ANT-BIAS: length 7
  TOP w0.508: UG1.9 228.22,110.84 arc(228.28,110.53) 228.46,110.27 228.68,110.05 arc(229,109.84) 229.38,109.76 229.66,109.76 arc(229.86,109.72) 230.04,109.61 230.39,109.25 arc(230.76,109) 231.2,108.92 CG4.2 232.69,108.87 233.66,108.87 LG1.1
AOUT1: length 3.1
  TOP w0.254: v1(24.59,141.43) 25.27,142.11 RA124.1
  BOTTOM w0.254: RA117.1 24.7,142.04 CA153.1 24.59,141.99 v1(24.59,141.43)
AOUT2: length 6.3
  TOP w0.254: RA125.1 21.24,143.33 21.24,141.98 22.07,141.15 v1(24,141.15)
  BOTTOM w0.254: RA118.1 24.67,140.77 CA152.1 24.42,140.76 24.03,141.15 v1(24,141.15)
AOUT3: length 11
  TOP w0.254: v1(24.03,137.57) 24.66,138.2 26.77,138.2 29.46,140.89 RA126.1
  BOTTOM w0.254: v1(24.03,137.57) 24.03,138.2 24.55,138.73 CA151.1 25.53,138.73 RA122.1
AOUT3L: length 4.1
  TOP w0.114: UA1.13 66.91,147.59 67.18,147.32 67.18,145.8 67.84,145.14 CA53.2
AOUT3R: length 3.5
  TOP w0.114: UA1.14 67.15,148.09 67.57,147.66 67.56,146.82 68.35,146.02 CA54.2
AOUT4: length 10.9
  TOP w0.254: RA127.1 26.45,142.58 24.54,140.67 23.09,140.67 22.73,140.31 22.73,137.41 v1(23.24,136.91)
  BOTTOM w0.254: v1(23.24,136.91) 23.32,136.82 CA147.1 24.72,136.91 RA123.1
AOUT5: length 41.7
  TOP w0.254: v1(39.24,154.56) 39.12,154.43 39.12,148.51 36.2,145.59 36.2,139.06 34.67,137.54 30.86,137.54 29.08,135.76 26.16,135.76 25.27,134.87 v1(24,134.87) ; CA169.2 v1(47.62,155.32)
  BOTTOM w0.254: v1(39.24,154.56) 39.88,155.19 47.5,155.19 v1(47.62,155.32) ; RA137.1 25.53,134.92 CA159.1 24.05,134.92 v1(24,134.87)
AOUT6: length 34.5
  TOP w0.254: CA170.2 38.18,155.27 38.18,148.45 35.59,145.85 35.59,139.66 34.37,138.43 30.1,138.43 28.19,136.53 24.97,136.53 23.52,135.07 23.52,133.83 v1(23.88,133.48)
  BOTTOM w0.254: RA138.1 24.72,133.1 CA158.1 24.34,133.01 v1(23.88,133.48)
AOUT_1: length 6.2
  BOTTOM w0.254: U57.19 32.01,138.55 31.75,138.81 31.75,141.86 31.37,142.24 30.12,142.24 CA146.1
AOUT_2: length 5.5
  BOTTOM w0.254: CA148.1 30.05,140.9 31.06,140.9 31.24,140.72 31.24,138.3 31.65,137.9 U57.18
AOUT_3: length 4
  BOTTOM w0.254: U57.17 31.54,137.25 30.61,138.18 30.61,138.68 CA149.1
AOUT_4: length 3.1
  BOTTOM w0.254: U57.16 30.61,136.6 CA150.1
AOUT_5: length 3.2
  BOTTOM w0.254: CA165.1 30.91,134.65 U57.13
AOUT_6: length 3
  BOTTOM w0.254: CA166.1 30.44,134 U57.12
AP-CK24M-OUT: length 3.8
  TOP w0.114: J71.156 150.05,52.41 TP144.1
AP-CK32K-OUT: length 173.9
  TOP w0.114: J71.154 149.55,50.67 153.12,47.11 170.38,47.11 171.4,48.13 172.21,48.13 172.34,48.01 v1(172.34,47.62) ; v1(179.96,165.99) 180.28,166.31 RW92.1
  L3 w0.114: v1(170.05,146.3) 176.28,146.3 178.56,144.02 181.23,144.02 v1(182.12,144.91)
  L4 w0.114: v1(170.05,146.3) 170.05,137.67 171.4,136.32 171.4,95.45 166.36,90.41 166.36,68.01 174.98,59.39 174.98,50.99 172.34,48.35 v1(172.34,47.62)
  BOTTOM w0.114: v1(179.96,165.99) 179.96,160.02 182.02,157.96 182.02,155.48 181.74,155.19 181.74,149.61 181.23,149.1 181.23,146.78 RW101.1 181.48,146.53 RW31.1 182.12,145.2 v1(182.12,144.91)
AP-NMI: length 175.4
  TOP w0.114: v1(27.53,93.45) 28.8,94.72 36.12,94.72 36.32,94.51 RU106.2 ; J71.107 v1(133.05,61.59)
  L3 w0.114: v1(132.97,96.39) 132.92,96.34 105.46,96.34 104.62,97.18 98.25,97.18 97.41,96.34 64.34,96.34 63.32,95.32 55.44,95.32 55.16,95.03 37.88,95.03 37.44,94.59 37.03,94.59 35.41,92.96 28.02,92.96 v1(27.53,93.45)
  L4 w0.114: v1(133.05,61.59) 132.91,61.74 132.91,74.56 132.97,74.62 v1(132.97,96.39)
  BOTTOM w0.114: v1(27.53,93.45) 28.19,92.79 28.19,88.06 29.64,86.61 29.64,82.42 29.06,81.84 RP455.2
AP-WAKE-BT: length 171.4
  TOP w0.114: J71.5 102.55,70.59 120.01,88.04 168.12,88.04 v1(168.28,87.88) ; U53.43 v1(170.05,150.03) ; UW2.6 182.55,154.89 182.75,154.69 v1(182.75,153.82) 182.74,153.82 182.63,153.71 v1(182.63,148.21)
  L3 w0.114: v1(170.05,150.03) 170.26,150.03 171.89,148.41 180.96,148.41 181.57,147.8 182.21,147.8 v1(182.63,148.21)
  L4 w0.114: v1(170.05,150.03) 171.93,148.16 171.93,138.21 172.43,137.7 172.43,94.96 168.28,90.81 v1(168.28,87.88)
  BOTTOM w0.114: v1(182.75,153.82) 183.03,153.54 RW47.2
AUDIO-AC-RST: length 40.8
  TOP w0.114: v1(111.86,134.06) 111.86,138.96 113.66,140.76 RA166.2 R1086.1 116.2,140.87 116.54,141.21 CA172.1 116.33,142.04 116.33,143 116.24,143.09 116.24,144.7 116.23,144.71 UA11.36 ; J70.163 v1(105.55,112.27)
  BOTTOM w0.114: v1(105.55,112.27) 105.55,124.6 108.33,127.38 108.33,129.51 111.86,133.05 v1(111.86,134.06)
AUDIO-BCLK: length 39.6
  TOP w0.114: v1(106.63,129.79) 106.94,130.11 106.94,139.68 110.11,142.85 110.11,143.26 113.18,146.33 UA11.29 ; J70.167 v1(104.55,112.27)
  BOTTOM w0.114: v1(106.63,129.79) 106.63,127.09 104.55,125.02 v1(104.55,112.27)
AUDIO-DIN: length 41.2
  TOP w0.114: UA11.27 112.96,147.13 109.42,143.59 109.42,143.14 106.08,139.79 106.08,130.94 105.44,130.3 v1(105.44,129.9) ; J70.173 v1(103.05,112.27)
  BOTTOM w0.114: v1(105.44,129.9) 105.44,128.02 103.47,126.05 103.47,112.68 v1(103.05,112.27)
AUDIO-DOUT: length 44.1
  TOP w0.114: J70.171 103.55,111.81 v1(103.05,111.3) ; UA11.26 112.86,147.53 109.08,143.74 109.08,143.28 105.56,139.76 105.56,131.04 104.88,130.35 v1(104.88,129.9)
  BOTTOM w0.114: v1(104.88,129.9) 102.64,127.66 102.64,111.71 v1(103.05,111.3)
AUDIO-IRQ: length 3.5
  TOP w0.114: R1082.2 110.36,148.62 TP143.1 112.12,148.62 112.4,148.33 UA11.24
AUDIO-LRCK: length 42.6
  TOP w0.114: UA11.28 113.07,146.73 109.77,143.42 109.77,142.99 106.48,139.71 106.48,130.38 v1(105.99,129.9) ; J70.169 104.05,111.86 v1(104.61,111.3)
  BOTTOM w0.114: v1(104.61,111.3) 104.14,111.77 104.14,125.19 105.99,127.04 v1(105.99,129.9)
AUDIO-MCLK: length 41.3
  TOP w0.114: v1(105.53,111.28) 105.05,111.76 J70.165 ; UA11.30 113.29,145.93 110.45,143.09 110.45,142.71 107.42,139.67 107.42,129.77 v1(107.06,129.41)
  BOTTOM w0.114: v1(105.53,111.28) 105.14,111.67 105.14,124.93 107.06,126.85 v1(107.06,129.41)
AUDIO-MUTE: length 262.1
  TOP w0.114: v1(37.67,166.78) 37.67,161.91 37.76,161.82 37.76,148.81 35.21,146.26 RA106.2 34.84,146.22 v1(34.84,143.48) RA69.2 ; RA5.2 v1(55.93,166.96) ; v1(103,102.97) 96.11,102.97 77.44,121.63 50.98,121.63 50.57,122.05 45.12,122.05 v1(37.3,129.87) ; J70.25 v1(150.05,102.97)
  L3 w0.114: v1(211.15,103.68) 210.59,103.12 197.84,103.12 197.66,102.95 190.61,102.95 190,102.34 183.66,102.34 183.25,102.75 170.37,102.75 170.14,102.97 v1(150.05,102.97) v1(103,102.97)
  L4 w0.114: v1(37.3,129.87) 37.3,130.04 34.43,132.91 34.43,143.07 v1(34.84,143.48)
  BOTTOM w0.114: v1(34.84,143.48) 33.95,142.6 RA157.1 ; v1(211.15,103.68) 211.15,103.23 211.78,102.59 RT16.2 ; v1(55.93,166.96) 37.85,166.96 v1(37.67,166.78)
